# Altium PCB MCU009B_PCB_ASCII.PcbDoc (part 1 of 4)
Units mil, origin at the board's own origin, x right, y up, seen from the top; angles counter-clockwise.
Board outline 2657.23 x 2215.46 mil, 10 copper layers (Top Layer, Internal-Plane 2, Mid-Layer 3, Mid-Layer 4, Internal-Plane 5, Internal-Plane 6, Mid-Layer 7, Mid-Layer 8, Internal-Plane 9, Bottom Layer), stack 60.8 mil thick; 232 components, 196 nets, 851 pads, 493 vias.
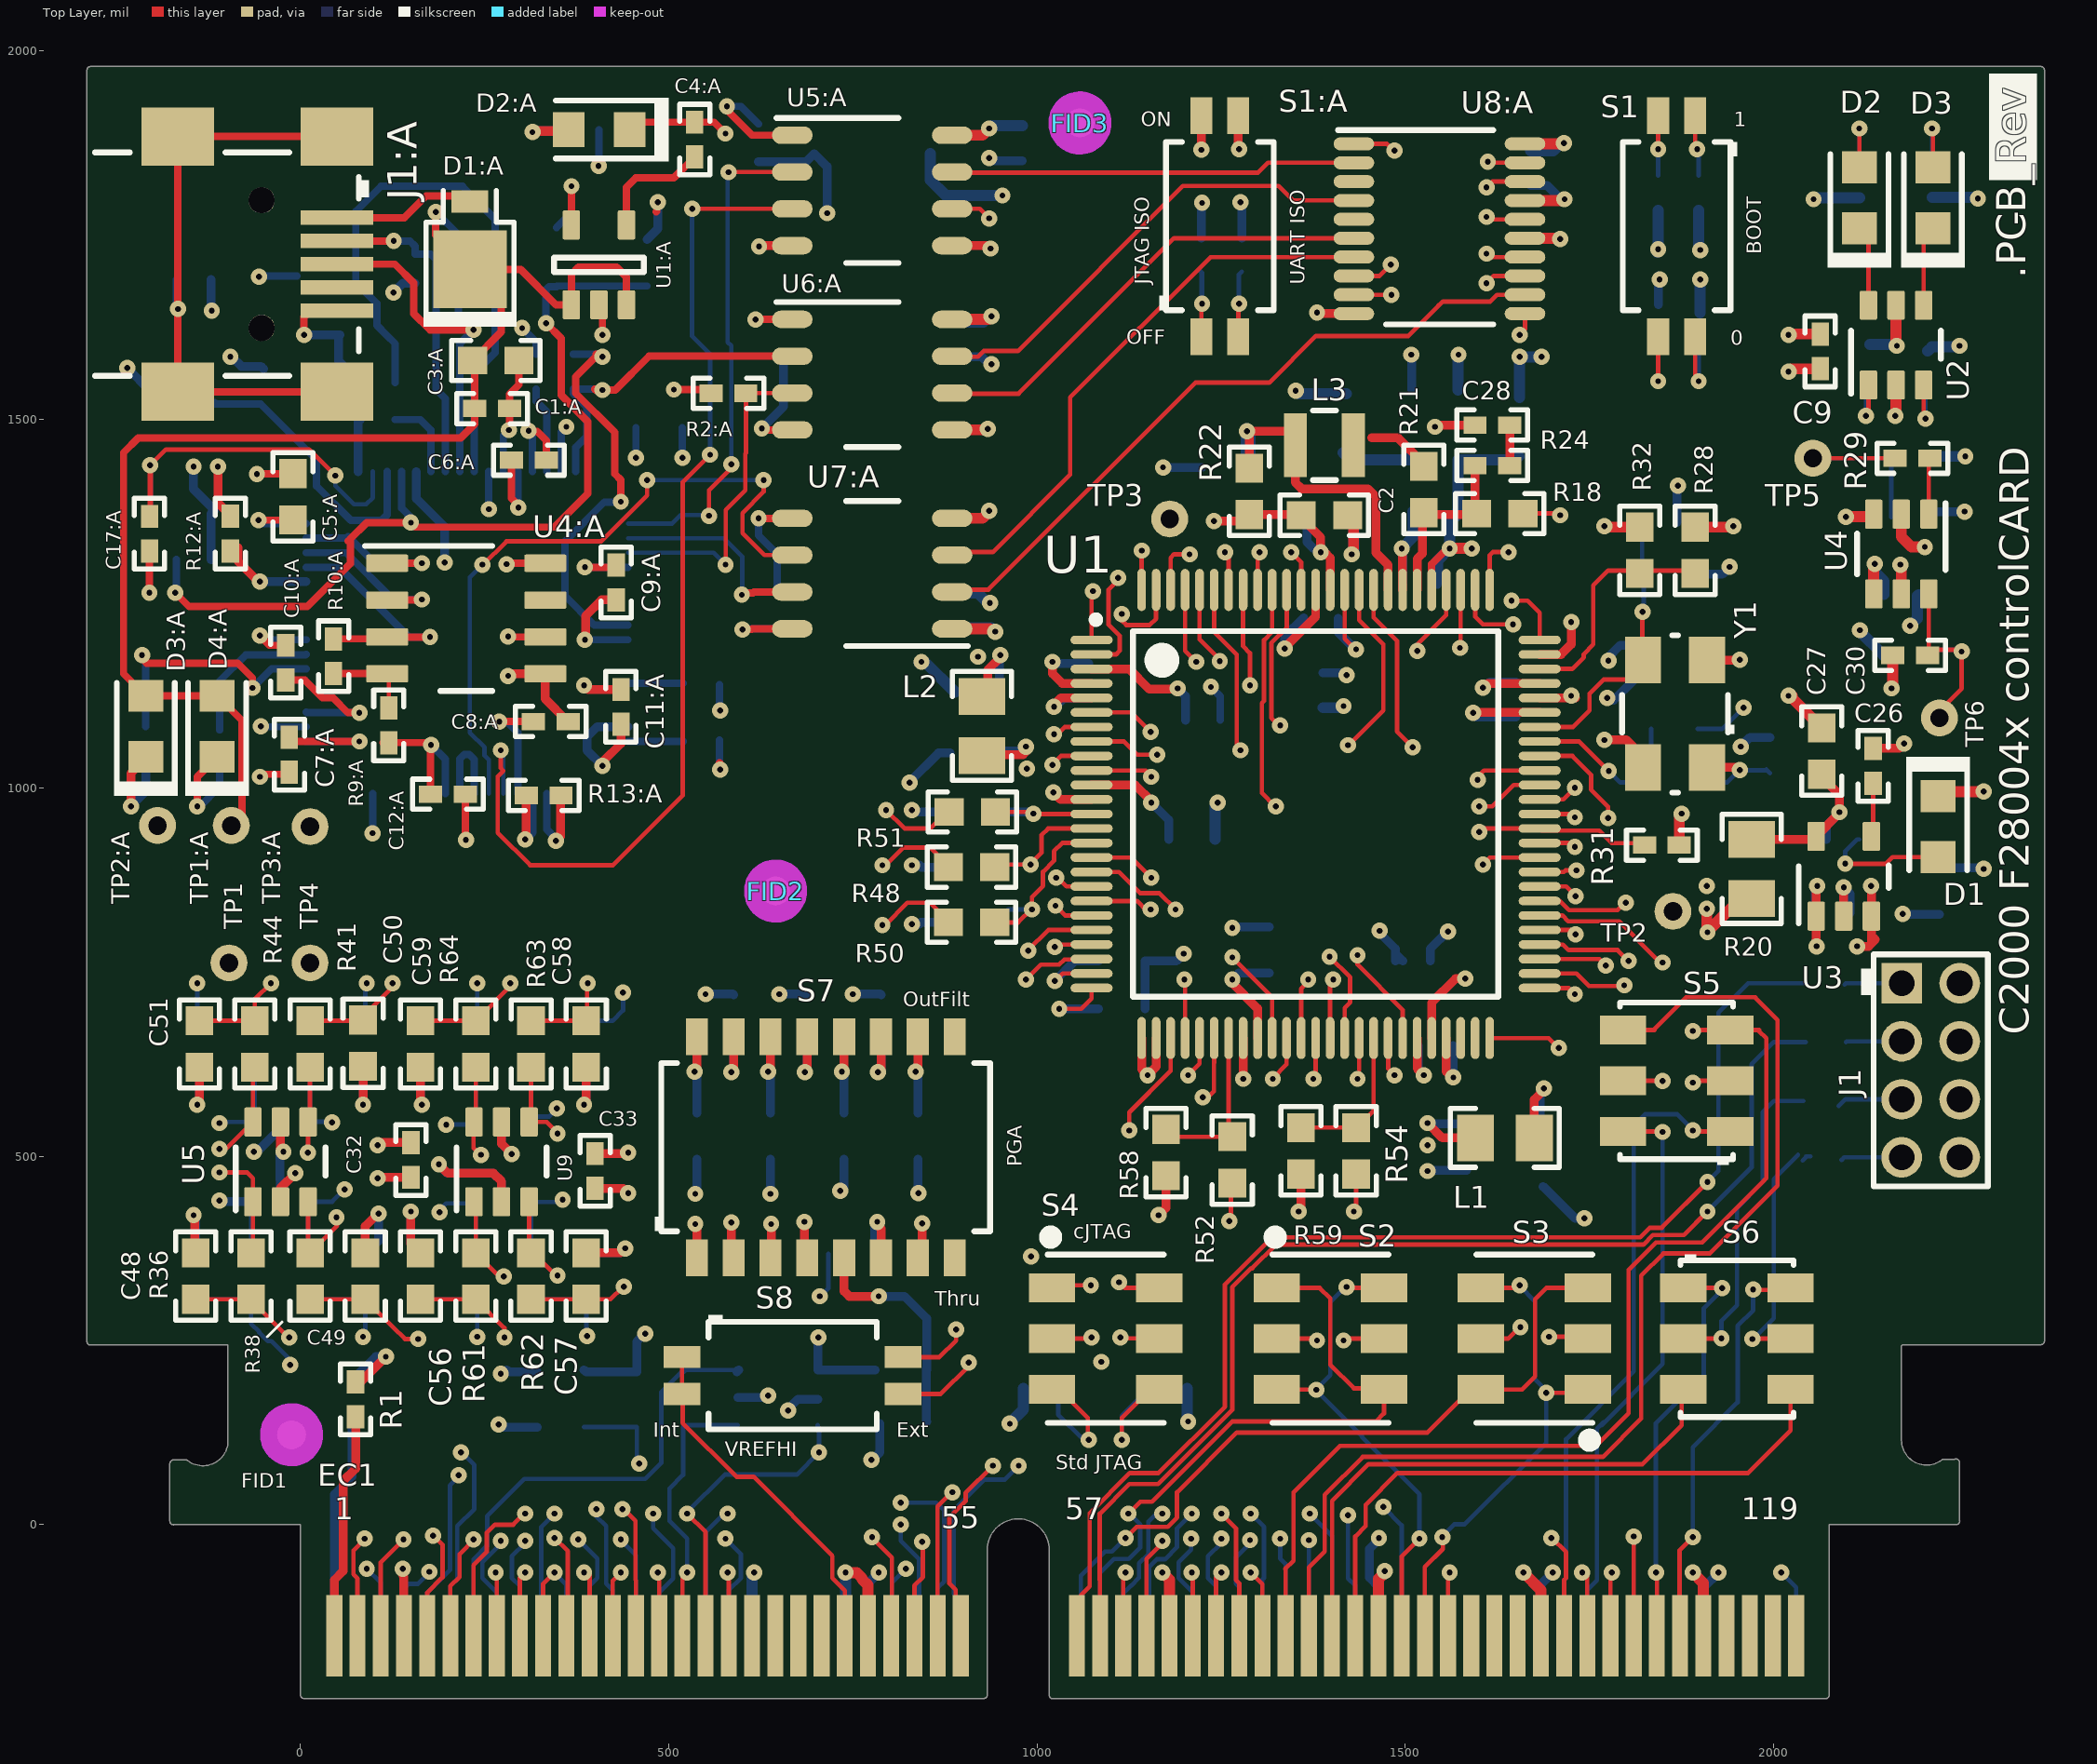
[diagram p0: Top Layer view]
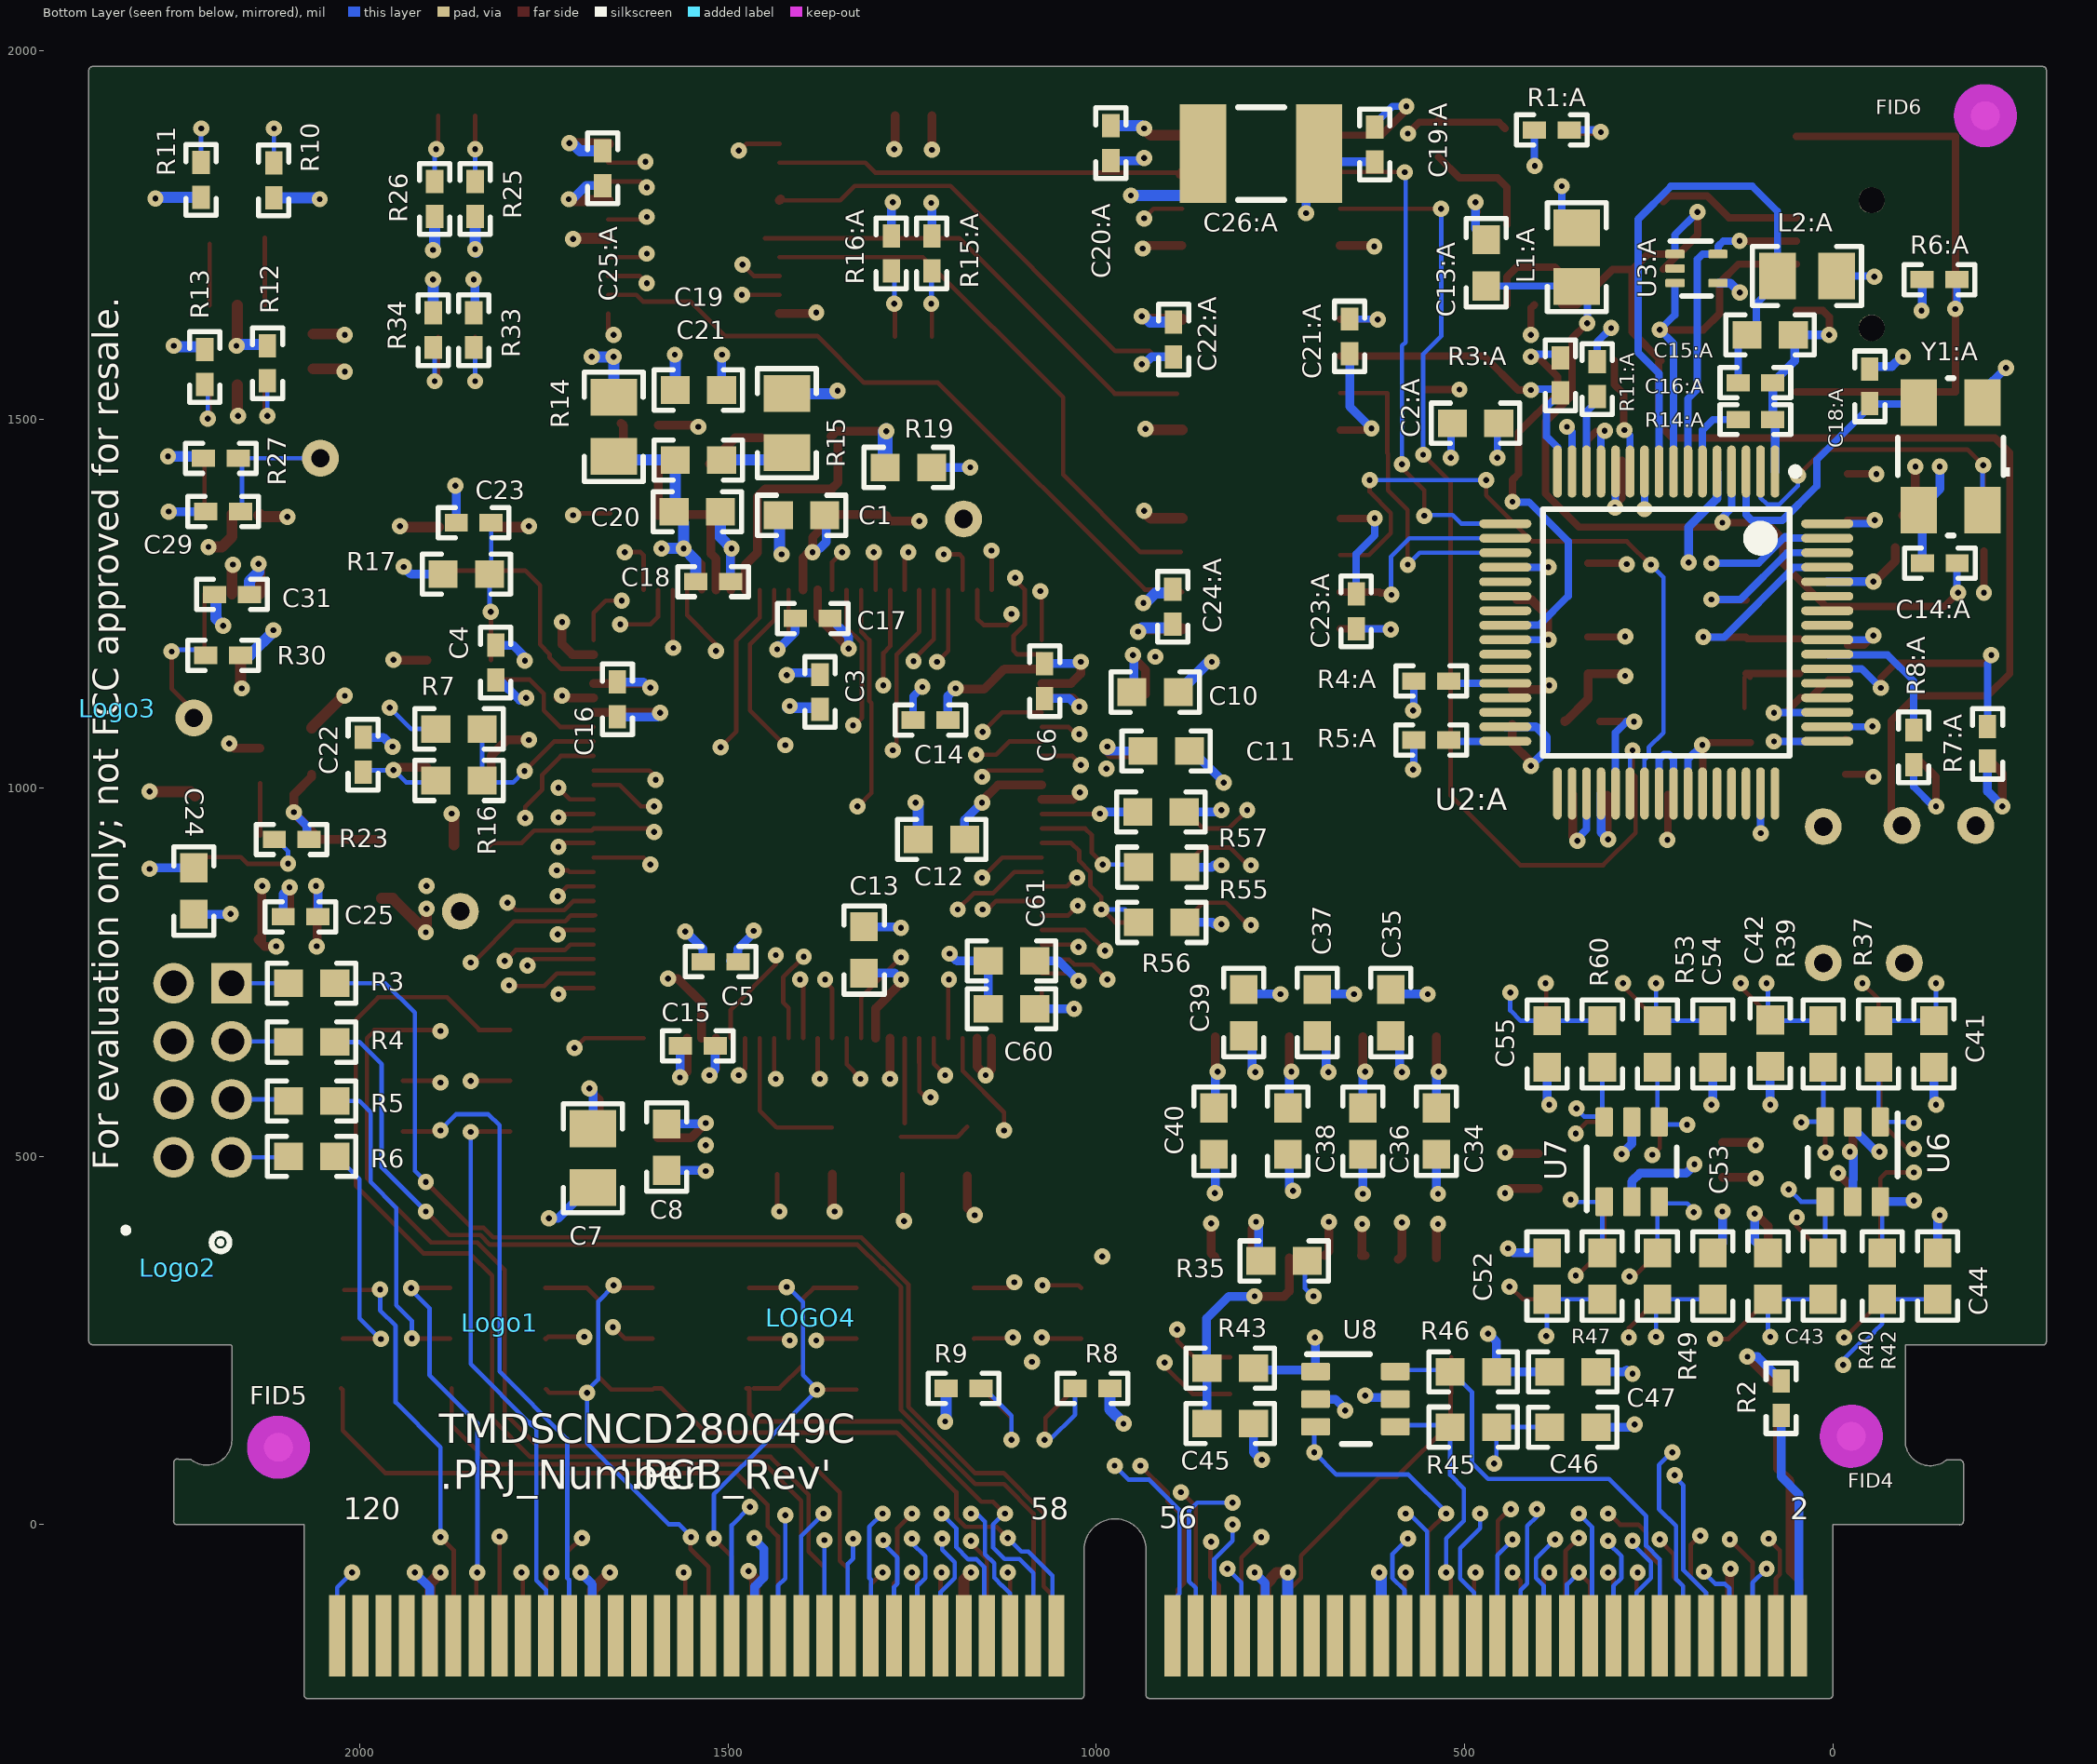
[diagram p1: Bottom Layer view, seen from below]
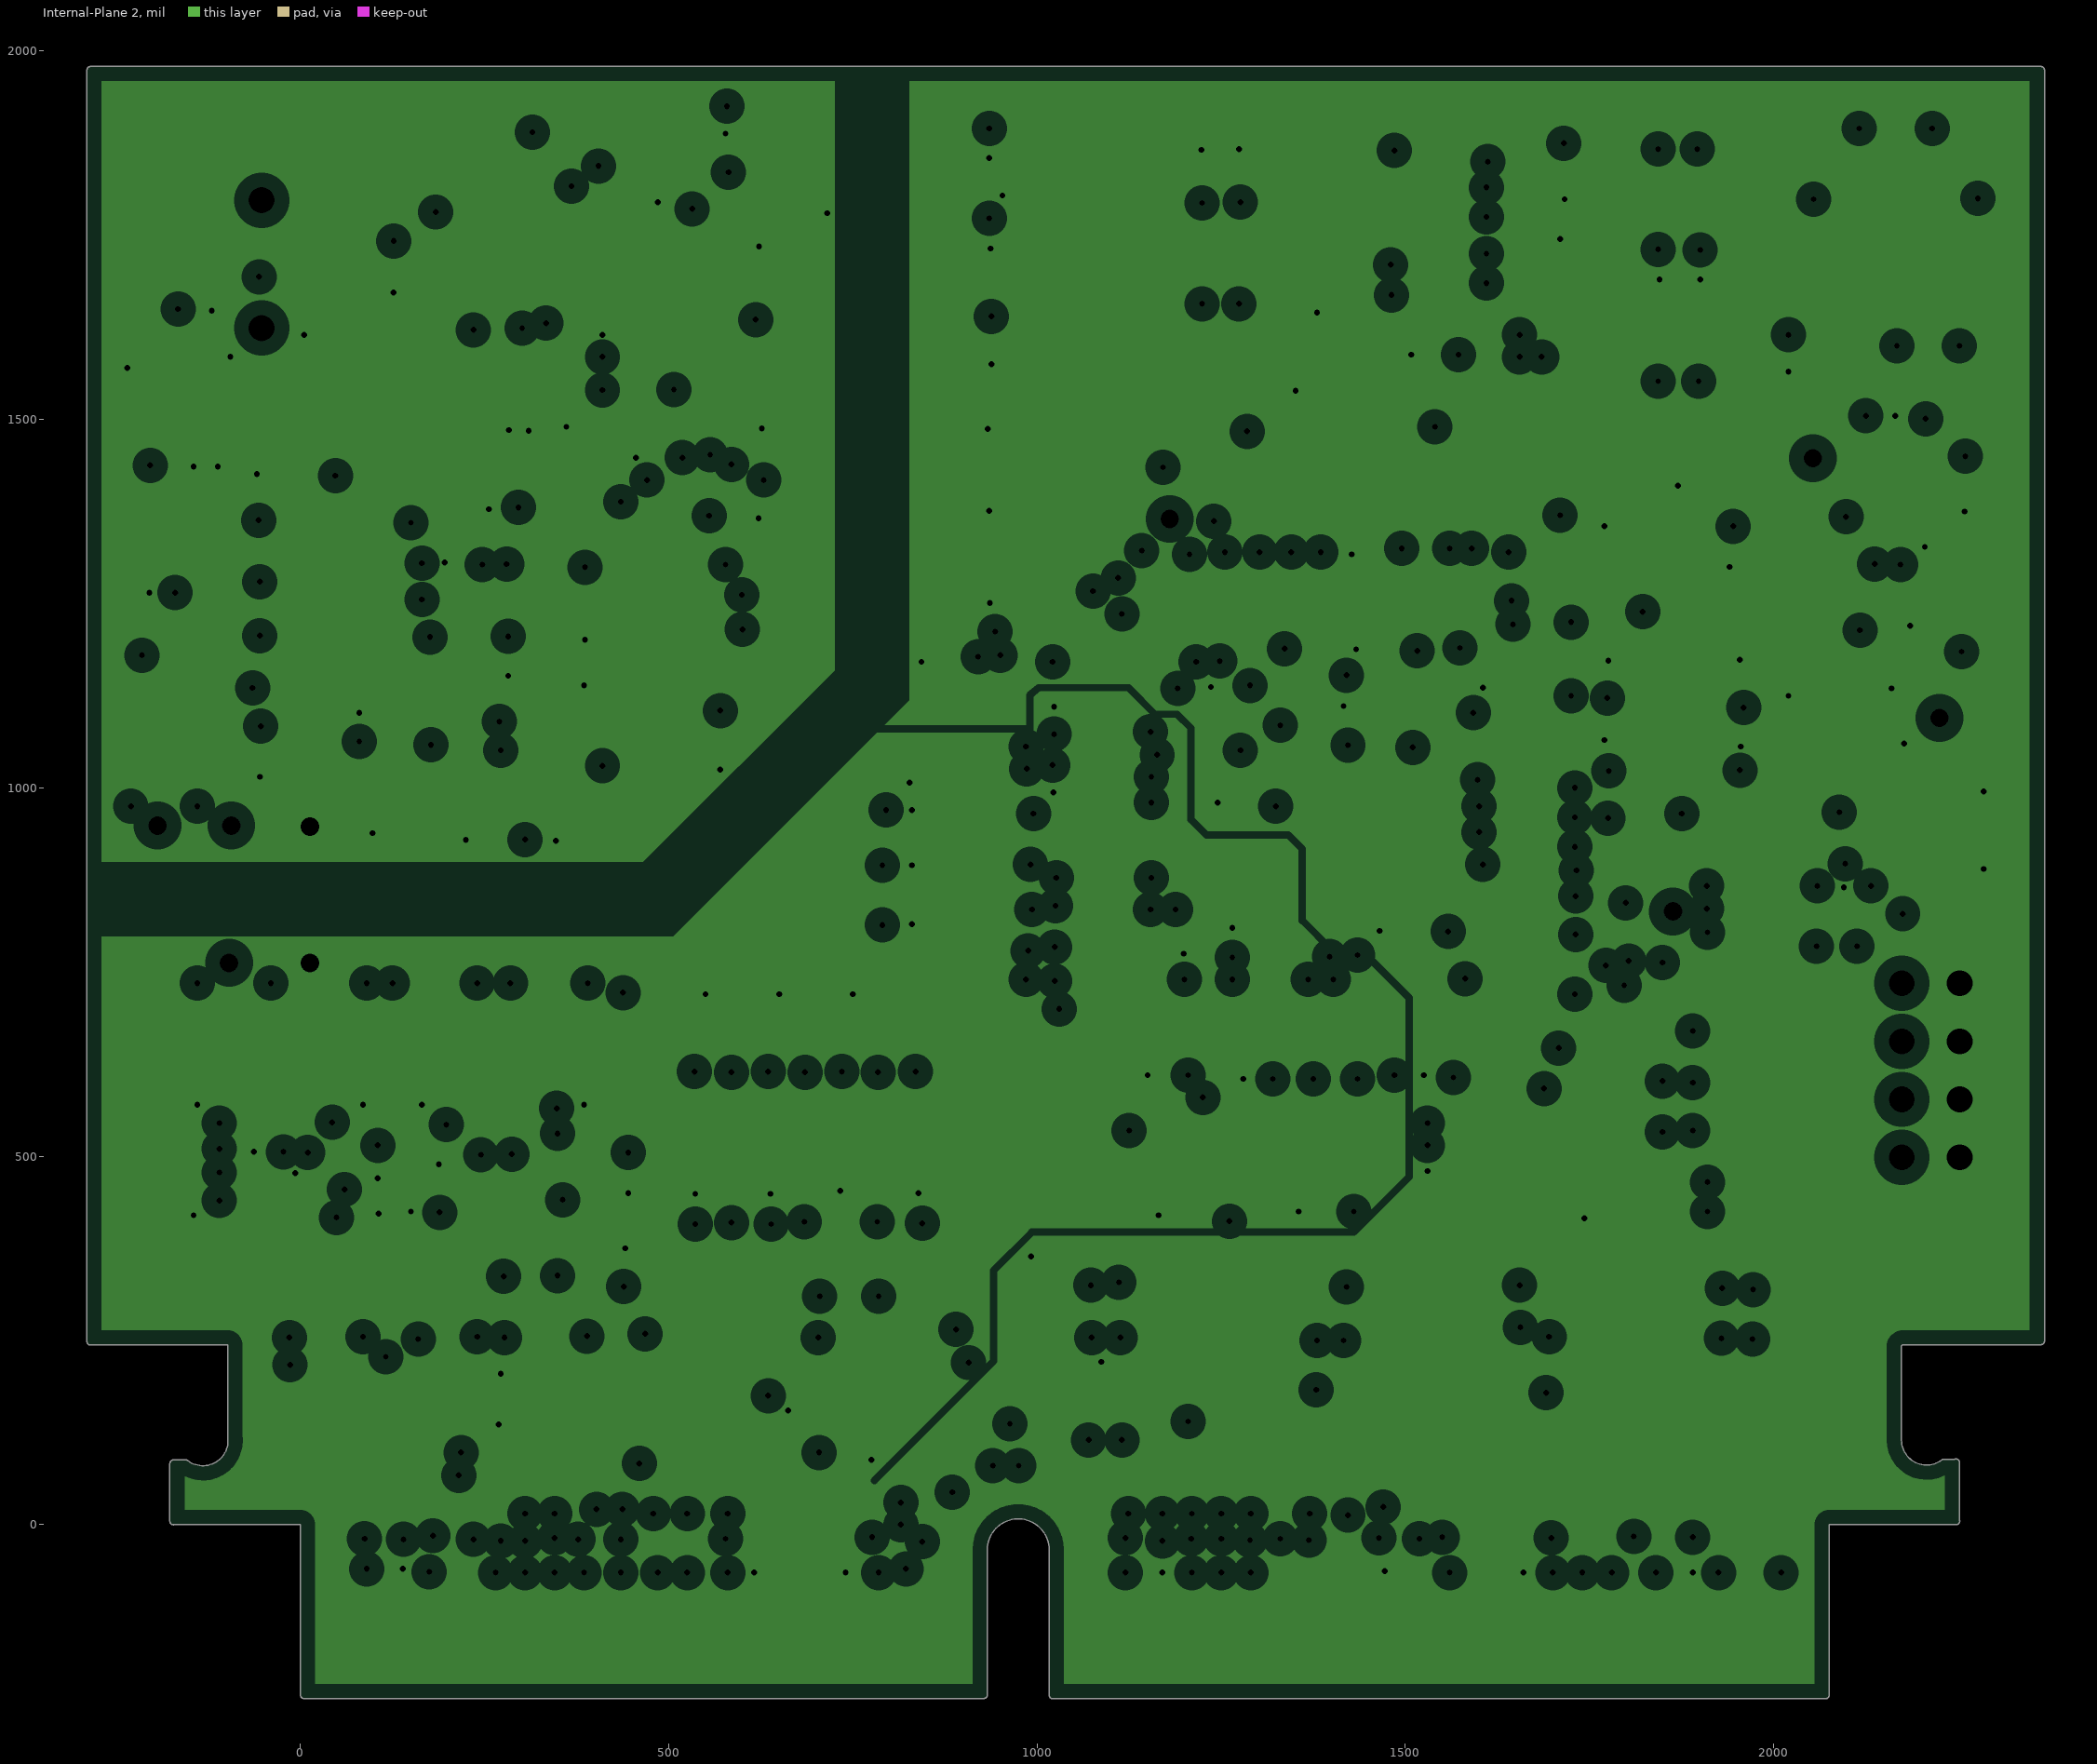
[diagram p2: Internal-Plane 2, clearances drawn from the general rule]
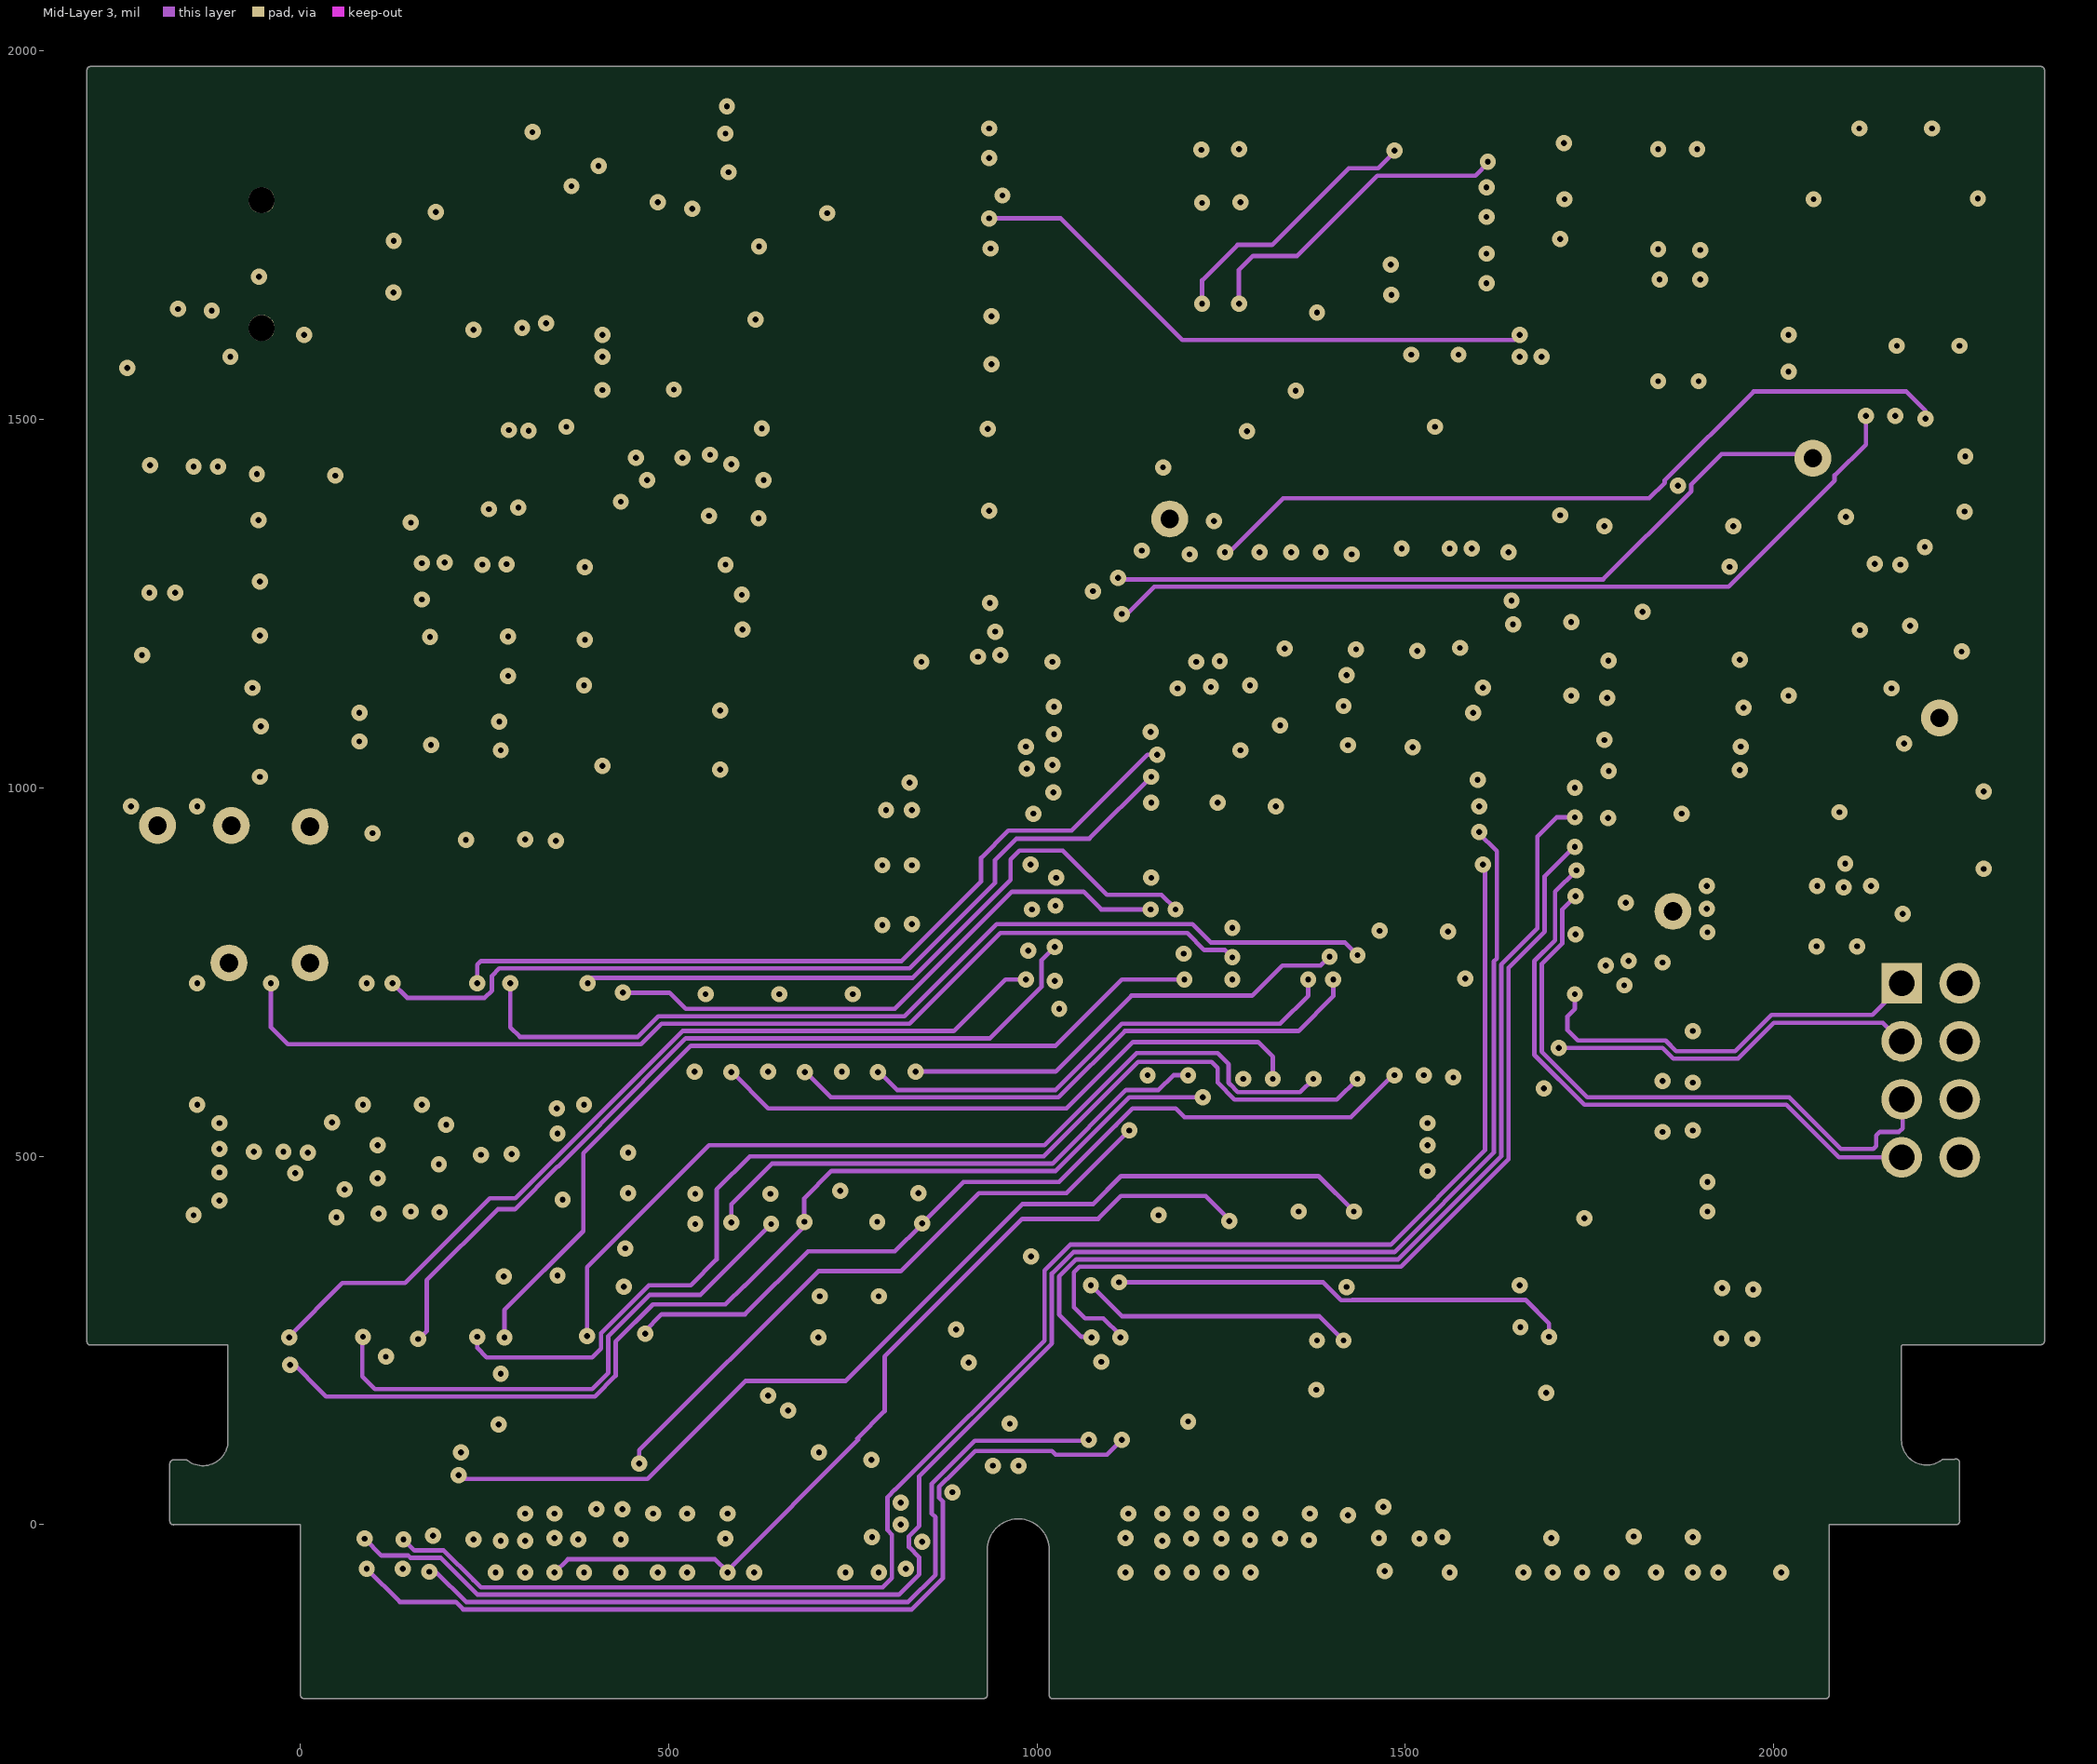
[diagram p3: Mid-Layer 3]